# KiCad board spudglo_driver_v7p0.kicad_pcb
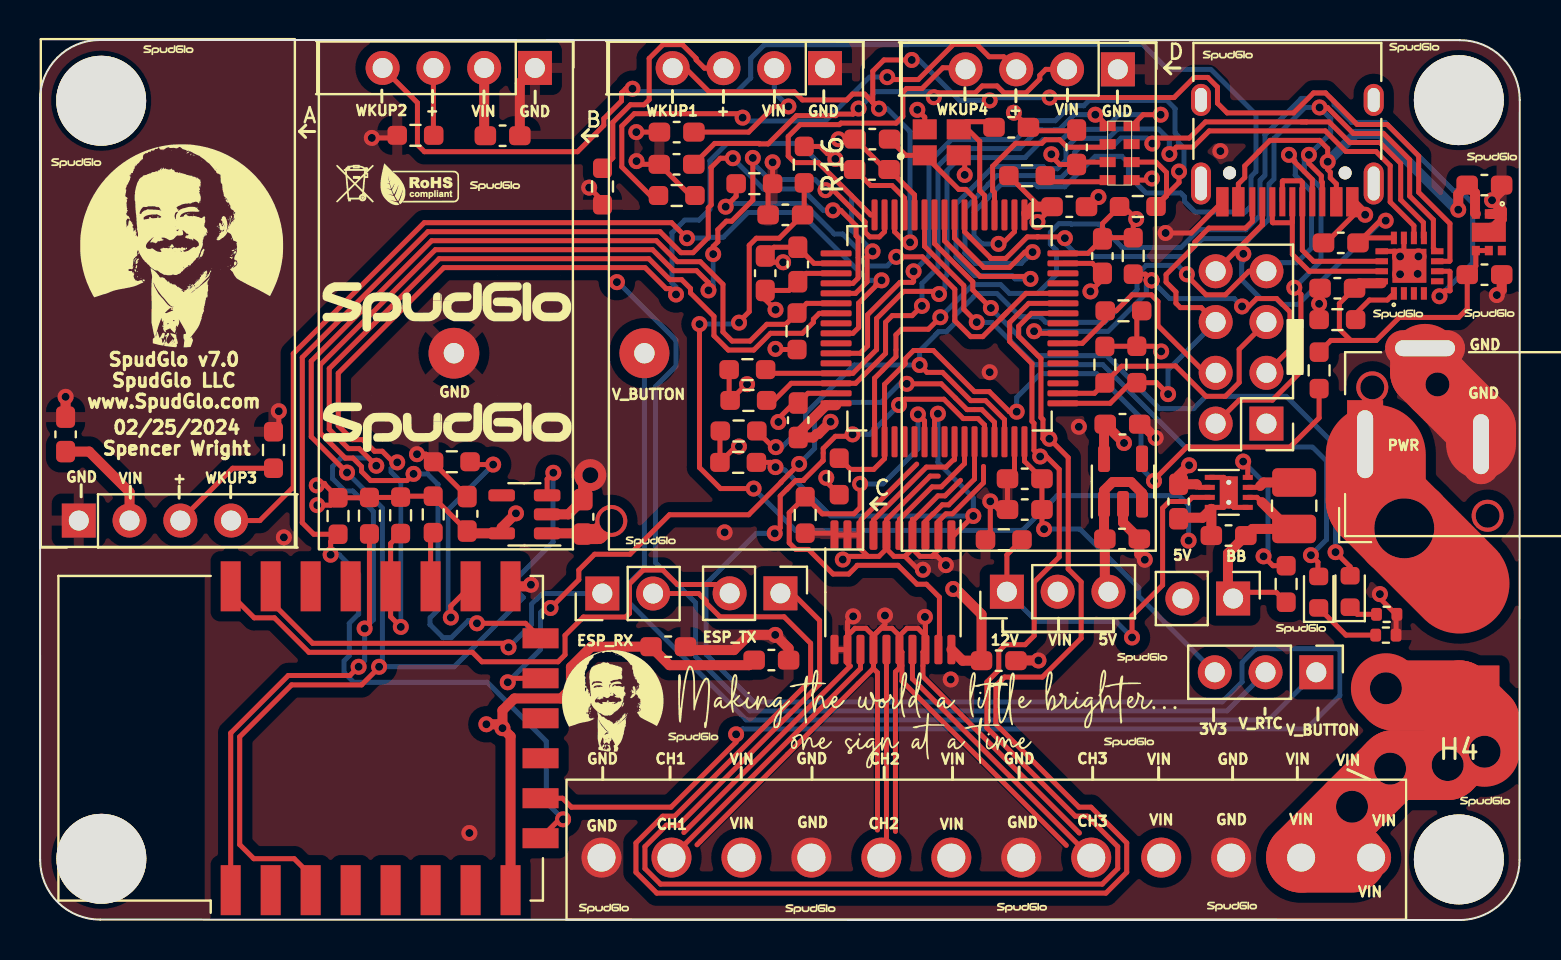
[diagram p0: board, top side]
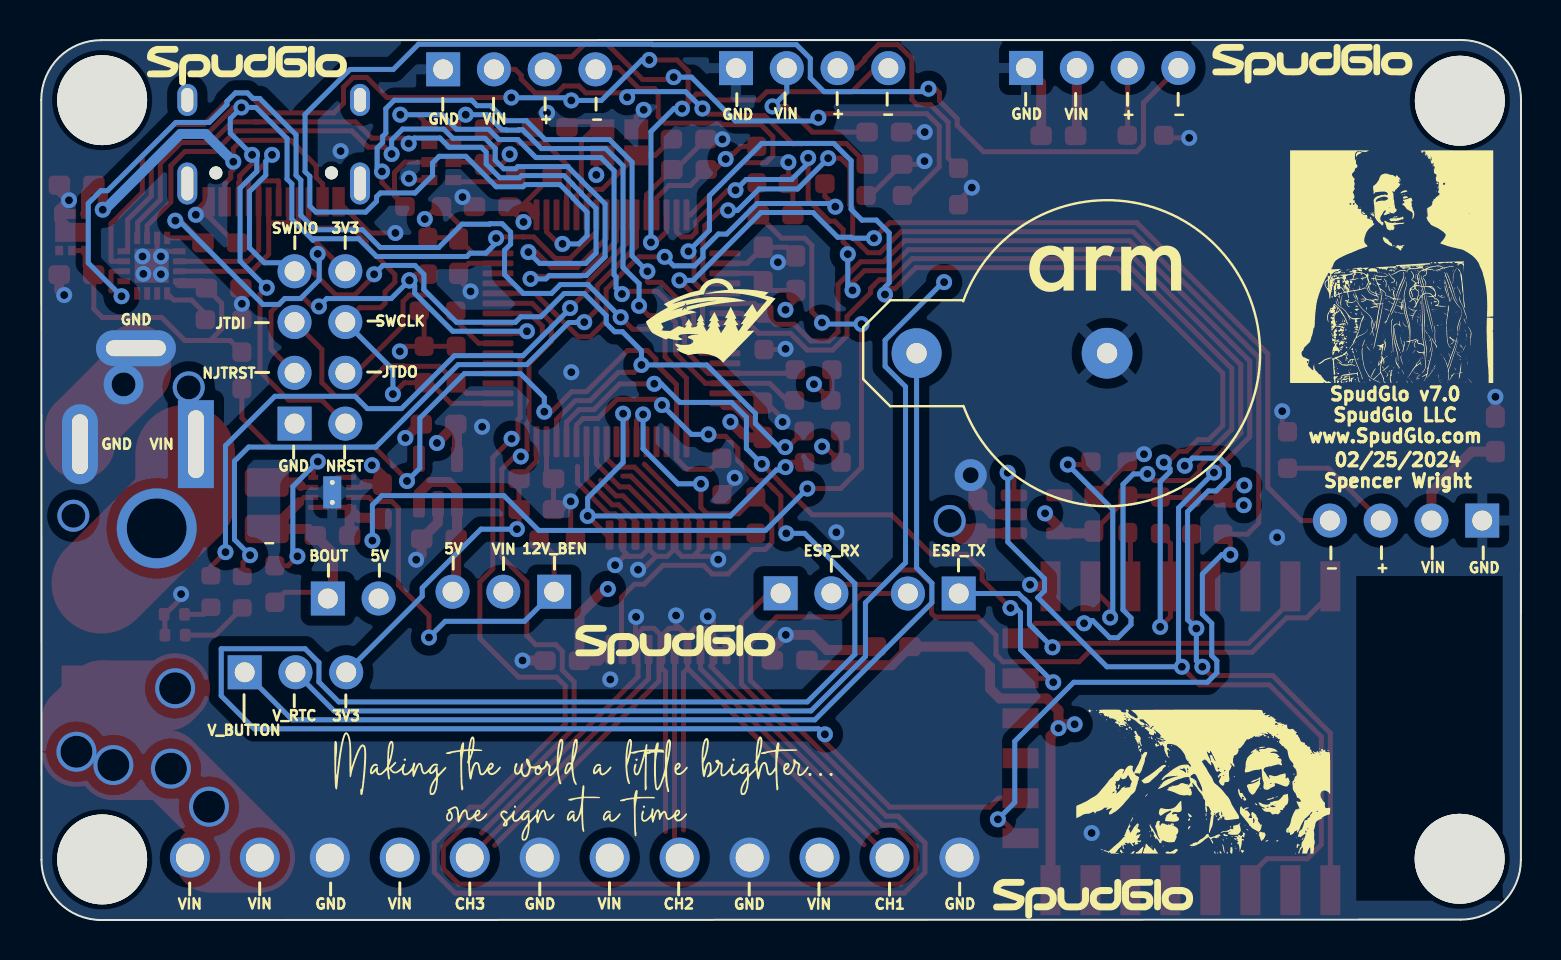
[diagram p1: board, bottom side, seen from below]

Outline 74.03 x 44.02 mm; copper layers: Top, GND.Cu (plane), PWR.Cu (plane), Bottom. Coordinates in mm from the lower left corner of the outline.
Outline path: 0,41.01 arc(0.87,43.14) 2.99,44.02 71.02,44.01 arc(73.14,43.15) 74.03,41.02 74.02,3.01 arc(73.15,0.88) 71.03,0 3.02,0.02 arc(0.89,0.89) 0.01,3.01 0,41.01
Stack: Top 0.035mm / dielectric 1.51mm FR4 er 4.5 / GND.Cu 0.035mm / dielectric 1.51mm FR4 er 4.5 / PWR.Cu 0.035mm / dielectric 1.51mm FR4 er 4.5 / Bottom 0.035mm

## Placement (name value [footprint] x y rotation side)
BT1  Battery_Cell  [BatteryHolder_Keystone_500]  30.24 28.35 180 bottom
C1  1u  [C_0603_1608Metric_Pad1.08x0.95mm_HandSolder]  31.84 37.8 180 top
C2  1u  [C_0603_1608Metric_Pad1.08x0.95mm_HandSolder]  1.28 24.29 90 top
C3  6p  [C_0603_1608Metric_Pad1.08x0.95mm_HandSolder]  41.64 39.06 180 top
C6  0.1u  [C_0603_1608Metric_Pad1.08x0.95mm_HandSolder]  47.96 12.97 0 top
C7  6p  [C_0603_1608Metric_Pad1.08x0.95mm_HandSolder]  48.59 39.65 0 top
C8  0.1u  [C_0603_1608Metric_Pad1.08x0.95mm_HandSolder]  37.29 35.27 180 top
C9  0.1u  [C_0603_1608Metric_Pad1.08x0.95mm_HandSolder]  51.49 35.68 0 top
C10  0.1u  [C_0603_1608Metric_Pad1.08x0.95mm_HandSolder]  37.91 32.79 90 top
C11  0.1u  [C_0603_1608Metric_Pad1.08x0.95mm_HandSolder]  53.15 33.21 270 top
C12  0.1u  [C_0603_1608Metric_Pad1.08x0.95mm_HandSolder]  37.93 25 90 top
C13  0.1u  [C_0603_1608Metric_Pad1.08x0.95mm_HandSolder]  41.62 37.54 0 top
C14  4.7u  [C_0603_1608Metric_Pad1.08x0.95mm_HandSolder]  36.28 32.35 90 top
C15  1u  [C_0603_1608Metric_Pad1.08x0.95mm_HandSolder]  54.13 19.06 0 top
C16  0.01u  [C_0603_1608Metric_Pad1.08x0.95mm_HandSolder]  49.26 22.07 180 top
C17  1u  [C_0603_1608Metric_Pad1.08x0.95mm_HandSolder]  49.26 20.53 180 top
C18  1u  [C_0603_1608Metric_Pad1.08x0.95mm_HandSolder]  54.15 24.8 0 top
C19  1u  [C_0603_1608Metric_Pad1.08x0.95mm_HandSolder]  23.14 39.23 0 top
C20  1u  [C_0603_1608Metric_Pad1.08x0.95mm_HandSolder]  65.07 33.87 180 top
C21  1u  [C_0603_1608Metric_Pad1.08x0.95mm_HandSolder]  64.9 31.6 180 top
C22  1u  [C_0603_1608Metric_Pad1.08x0.95mm_HandSolder]  72.26 36.76 0 top
C23  1u  [C_0603_1608Metric_Pad1.08x0.95mm_HandSolder]  72.26 32.28 0 top
C24  10u  [C_0603_1608Metric_Pad1.08x0.95mm_HandSolder]  56.96 20.93 270 top
C25  22u  [C_0603_1608Metric_Pad1.08x0.95mm_HandSolder]  59.46 19.23 180 top
C26  1u  [C_0603_1608Metric_Pad1.08x0.95mm_HandSolder]  31.85 39.41 180 top
C27  0.01u  [C_0603_1608Metric_Pad1.08x0.95mm_HandSolder]  51.86 38.65 90 top
C28  1u  [C_0603_1608Metric_Pad1.08x0.95mm_HandSolder]  27.17 20.17 90 top
C29  1u  [C_0603_1608Metric_Pad1.08x0.95mm_HandSolder]  21.37 20.32 90 top
C30  10u  [C_0603_1608Metric_Pad1.08x0.95mm_HandSolder]  36.59 13 0 top
C31  1u  [C_0603_1608Metric_Pad1.08x0.95mm_HandSolder]  31.43 13.67 0 top
D1  GREEN LED  [LED_0603_1608Metric]  65.54 16.43 90 top
D3  RED_LED  [LED_0603_1608Metric]  63.97 16.4 90 top
F1  Fuse-2410FA  [2410FA]  75.01 16.83 270 top
G***  -  [LOGO]  15.75 36.82 0 top
G***#2  -  [LOGO]  59.42 43.27 0 top
G***#3  -  [LOGO]  54.48 8.91 0 top
G***#4  -  [LOGO]  20.3 24.81 0 top
G***#5  -  [LOGO]  32.68 9.16 0 top
G***#6  -  [LOGO]  30.55 18.97 0 top
G***#7  -  [LOGO]  6.42 43.54 0 top
G***#8  -  [LOGO]  55.14 13.14 0 top
G***#9  -  [LOGO]  19.01 36.77 0 top
G***#10  -  [LOGO]  1.81 37.89 0 top
G***#11  -  [LOGO]  22.76 36.74 0 top
G***#12  -  [LOGO]  72.51 30.34 0 top
G***#13  -  [LOGO]  7.08 33.73 0 top
G***#14  -  [LOGO]  20.28 30.83 0 top
G***#15  -  [LOGO]  72.29 5.95 0 top
G***#16  -  [LOGO]  68.75 43.66 0 top
G***#17  -  [LOGO]  63.08 14.59 0 top
G***#18  -  [LOGO]  59.63 0.7 0 top
G***#19  -  [LOGO]  38.54 0.57 0 top
G***#20  -  [LOGO]  43.71 9.06 0 top
G***#21  -  [LOGO]  44.37 11.28 0 top
G***#22  -  [LOGO]  28.21 0.6 0 top
G***#23  -  [LOGO]  49.12 0.64 0 top
G***#24  -  [LOGO]  72.64 38.17 0 top
G***#25  -  [LOGO]  28.65 10.96 0 top
G***#26  -  [LOGO]  67.94 30.32 0 top
G***#27  -  [LOGO]  63.74 42.73 180 bottom
G***#28  -  [LOGO]  6.47 32.68 180 bottom
G***#29  -  [LOGO]  40.41 29.97 180 bottom
G***#30  -  [LOGO]  46.93 7.94 180 bottom
G***#31  -  [LOGO]  10.44 42.83 180 bottom
G***#32  -  [LOGO]  20.8 32.58 180 bottom
G***#33  -  [LOGO]  15.9 6.92 180 bottom
G***#34  -  [LOGO]  42.31 13.77 180 bottom
G***#35  -  [LOGO]  47.62 5.44 180 bottom
G***#36  -  [LOGO]  21.41 1.06 180 bottom
H1  MountingHole  [MountingHole_4.5mm]  3.06 40.98 0 top
H2  MountingHole  [MountingHole_4.5mm]  3.07 3.06 0 top
H3  MountingHole  [MountingHole_4.5mm]  70.98 41.01 0 top
H4  MountingHole  [MountingHole_4.5mm]  70.98 3.03 0 top
J1  Conn_01x08_Male  [PinHeader_2x04_P2.54mm_Vertical]  61.36 24.83 180 top
J2  Barrel_Jack_Switch  [BarrelJack_Wuerth_6941xx301002]  66.29 23.8 90 top
J3  terminal_custom_12pin  [1984714]  66.59 3.12 180 top
J4  Conn_01x02_Pin  [PinHeader_1x02_P2.54mm_Vertical]  37.04 16.34 270 top
J5  Conn_01x02_Pin  [PinHeader_1x02_P2.54mm_Vertical]  59.69 16.08 270 top
J6  Conn_01x02_Pin  [PinHeader_1x02_P2.54mm_Vertical]  28.13 16.33 90 top
J7  Conn_01x03_Pin  [PinHeader_1x03_P2.54mm_Vertical]  63.85 12.39 270 top
J8  Conn_01x03_Pin  [PinHeader_1x03_P2.54mm_Vertical]  48.37 16.42 90 top
L1  L  [L_1008_2520Metric_Pad1.43x2.20mm_HandSolder]  62.74 20.72 270 top
R1  1M  [R_0603_1608Metric_Pad0.98x0.95mm_HandSolder]  31.85 36.24 0 top
R2  100k  [R_0603_1608Metric_Pad0.98x0.95mm_HandSolder]  48.21 19.02 180 top
R3  1M  [R_0603_1608Metric_Pad0.98x0.95mm_HandSolder]  28.14 36.69 270 top
R4  1M  [R_0603_1608Metric_Pad0.98x0.95mm_HandSolder]  11.68 23.51 90 top
R5  1M  [R_0603_1608Metric_Pad0.98x0.95mm_HandSolder]  18.78 39.25 180 top
R6  10k  [R_0603_1608Metric_Pad0.98x0.95mm_HandSolder]  35.44 25.99 0 top
R7  10k  [R_0603_1608Metric_Pad0.98x0.95mm_HandSolder]  35.39 27.53 0 top
R8  100k  [R_0603_1608Metric_Pad0.98x0.95mm_HandSolder]  49.38 37.23 0 top
R9  100k  [R_0603_1608Metric_Pad0.98x0.95mm_HandSolder]  54.92 35.69 0 top
R10  10k  [R_0603_1608Metric_Pad0.98x0.95mm_HandSolder]  64.9 30.03 180 top
R11  10k  [R_0603_1608Metric_Pad0.98x0.95mm_HandSolder]  18.04 20.24 90 top
R12  10k  [R_0603_1608Metric_Pad0.98x0.95mm_HandSolder]  19.67 20.29 90 top
R13  10k  [R_0603_1608Metric_Pad0.98x0.95mm_HandSolder]  20.6 22.92 0 top
R14  10k  [R_0603_1608Metric_Pad0.98x0.95mm_HandSolder]  34.93 22.89 0 top
R15  10k  [R_0603_1608Metric_Pad0.98x0.95mm_HandSolder]  35.74 36.83 0 top
R16  10k  [R_0603_1608Metric_Pad0.98x0.95mm_HandSolder]  38.23 37.78 270 top
R17  10k  [R_0603_1608Metric_Pad0.98x0.95mm_HandSolder]  38.28 20.26 270 top
R18  10k  [R_0603_1608Metric_Pad0.98x0.95mm_HandSolder]  34.95 24.46 0 top
R19  10k  [R_0603_1608Metric_Pad0.98x0.95mm_HandSolder]  54.87 27.79 270 top
R20  10k  [R_0603_1608Metric_Pad0.98x0.95mm_HandSolder]  53.27 27.78 270 top
R21  10k  [R_0603_1608Metric_Pad0.98x0.95mm_HandSolder]  54.2 30.47 180 top
R22  10k  [R_0603_1608Metric_Pad0.98x0.95mm_HandSolder]  54.69 33.22 270 top
R23  10k  [R_0603_1608Metric_Pad0.98x0.95mm_HandSolder]  62.34 16.81 90 top
R24  10k  [R_0603_1608Metric_Pad0.98x0.95mm_HandSolder]  16.48 20.22 90 top
R25  10k  [R_0603_1608Metric_Pad0.98x0.95mm_HandSolder]  37.87 29.45 90 top
R31  10k  [R_0603_1608Metric_Pad0.98x0.95mm_HandSolder]  14.91 20.21 90 top
R34  10k  [R_0603_1608Metric_Pad0.98x0.95mm_HandSolder]  63.99 27.49 270 top
R35  28k  [R_0603_1608Metric_Pad0.98x0.95mm_HandSolder]  39.98 22.19 270 top
R37  100  [R_0402_1005Metric]  67.33 14.25 0 top
R39  100  [R_0402_1005Metric]  67.37 15.29 0 top
U1  rf_433MHz_module  [433MHz_receiver]  42.59 44.37 0 top
U2  rf_433MHz_module  [433MHz_receiver]  13.27 18.16 180 top
U3  rf_433MHz_module  [433MHz_receiver]  13.43 44.44 0 top
U4  rf_433MHz_module  [433MHz_receiver]  27.94 44.43 0 top
U5  RV-8803  [rv-8803-c7]  53.41 39.71 0 top
U6  -  [XR21B1411]  67.73 31.34 90 top
U8  ECS-480-8-36-RWN-TR  [XTAL_ECS-480-8-36-RWN-TR]  45.11 38.9 0 top
U9  SN74HCT245PW  [TSSOP-20_4.4x6.5mm_P0.65mm]  42.67 16.39 270 top
U10  STM32L431RCTx  [LQFP-64_10x10mm_P0.5mm]  45.5 29.6 270 top
U11  LP5907MFX-3.3  [SOT-23-5]  54.18 21.93 90 top
U12  USB-C-31-M-12  [USB_C_Receptacle_HRO_TYPE-C-31-M-12]  62.4 39.97 180 top
U13  -  [NCP361]  73.13 33.02 180 top
U14  LP5907MFX-3.3  [SOT-23-5]  24.23 20.29 180 top
U15  ESP-12F  [ESP-12E]  13.04 9.09 90 top
U16  TPS62163DSG  [WSON-8-1EP_2x2mm_P0.5mm_EP0.9x1.6mm_ThermalVias]  59.47 21.39 0 top

## Library data of the parts
BT1 = -: Description: Single-cell battery
D1 D3 = -: Description: Light emitting diode
H1-H4 = -: Description: Mounting Hole without connection
J1 = -: Description: Generic connector, single row, 01x08, script generated (kicad-library-utils/schlib/autogen/connector/)
J2 = -: Description: DC Barrel Jack with an internal switch
J4-J6 = -: Description: Generic connector, single row, 01x02, script generated
J7 J8 = -: Description: Generic connector, single row, 01x03, script generated
L1 = -: Description: Inductor
R1-R25 R31 R34 R35 R37 R39 = -: Description: Resistor
U8 = -: AVAILABILITY: Good; DESCRIPTION: The minature ECX-2236 is a compact SMD Crystal. The industry standard 2.5 x 2.0 x 0.55 mm ceramic package is ideal for today’s SMD manufacturing environment.; MF: ECS INC; MP: ECX-2236; PACKAGE: SMD-4 ECX; PARTREV: 2017; STANDARD: Manufacturer Recommendation
U11 U14 = -: Description: 250-mA Ultra-Low-Noise Low-IQ LDO, 3.3V, SOT-23
U15 = -: Description: 802.11 b/g/n Wi-Fi Module
U16 = -: Description: 1A Step-Down Converter with DCS-Control, fixed 5.0V output, 3-17V input voltage, WSON-8

## Footprints (pads in the part's own frame, mm; a bottom-side part is the same pattern mirrored in y, then rotated)
433MHz_receiver
  rect 1.7x1.7 hole 1: 1(11.33,-1.82)
  oval 1.7x1.7 hole 1: 2(8.79,-1.82) 3(6.25,-1.82) 4(3.71,-1.82)
2410FA
  rect 3x4 smd: 1(0,-4) 2(5.6,-4)
1984714
  round 2 hole 1.4: 1(0,0) 2(3.5,0) 3(7,0) 4(10.5,0) 5(14,0) 6(17.5,0) 7(21,0) 8(24.5,0) 9(28,0) 10(31.5,0) 11(35,0) 12(38.5,0)
BarrelJack_Wuerth_6941xx301002
  rect 4.4x1.8 hole 3.4x0.8: 1(0,0)
  oval 4x1.8 hole 3x0.8: 2(0,-5.8)
  oval 1.8x4 hole 0.8x3: 3(4.8,-3)
BatteryHolder_Keystone_500
  round 2.5 hole 1.02: 1(0,0)
  round 2.54 hole 1.02: 2(9.53,0)
C_0603_1608Metric_Pad1.08x0.95mm_HandSolder
  rrect 1.075x0.95 smd: 1(-0.863,0) 2(0.863,0)
ESP-12E
  rect 2.5x1 smd: 1(-7.6,3.5) 2(-7.6,1.5) 3(-7.6,-0.5) 4(-7.6,-2.5) 5(-7.6,-4.5) 6(-7.6,-6.5) 7(-7.6,-8.5) 8(-7.6,-10.5) 15(7.6,-10.5) 16(7.6,-8.5) 17(7.6,-6.5) 18(7.6,-4.5) 19(7.6,-2.5) 20(7.6,-0.5) 21(7.6,1.5) 22(7.6,3.5)
  rect 1x1.8 smd: 9(-5,-12) 10(-3,-12) 11(-1,-12) 12(1,-12) 13(3,-12) 14(5,-12)
L_1008_2520Metric_Pad1.43x2.20mm_HandSolder
  rrect 1.425x2.2 smd: 1(-1.163,0) 2(1.163,0)
LED_0603_1608Metric
  rrect 0.875x0.95 smd: 1(-0.787,0) 2(0.787,0)
LQFP-64_10x10mm_P0.5mm
  rrect 1.55x0.3 smd: 1(-5.675,3.75) 2(-5.675,3.25) 3(-5.675,2.75) 4(-5.675,2.25) 5(-5.675,1.75) 6(-5.675,1.25) 7(-5.675,0.75) 8(-5.675,0.25) 9(-5.675,-0.25) 10(-5.675,-0.75) 11(-5.675,-1.25) 12(-5.675,-1.75) 13(-5.675,-2.25) 14(-5.675,-2.75) 15(-5.675,-3.25) 16(-5.675,-3.75) 33(5.675,-3.75) 34(5.675,-3.25) 35(5.675,-2.75) 36(5.675,-2.25) 37(5.675,-1.75) 38(5.675,-1.25) 39(5.675,-0.75) 40(5.675,-0.25) 41(5.675,0.25) 42(5.675,0.75) 43(5.675,1.25) 44(5.675,1.75) 45(5.675,2.25) 46(5.675,2.75) 47(5.675,3.25) 48(5.675,3.75)
  rrect 0.3x1.55 smd: 17(-3.75,-5.675) 18(-3.25,-5.675) 19(-2.75,-5.675) 20(-2.25,-5.675) 21(-1.75,-5.675) 22(-1.25,-5.675) 23(-0.75,-5.675) 24(-0.25,-5.675) 25(0.25,-5.675) 26(0.75,-5.675) 27(1.25,-5.675) 28(1.75,-5.675) 29(2.25,-5.675) 30(2.75,-5.675) 31(3.25,-5.675) 32(3.75,-5.675) 49(3.75,5.675) 50(3.25,5.675) 51(2.75,5.675) 52(2.25,5.675) 53(1.75,5.675) 54(1.25,5.675) 55(0.75,5.675) 56(0.25,5.675) 57(-0.25,5.675) 58(-0.75,5.675) 59(-1.25,5.675) 60(-1.75,5.675) 61(-2.25,5.675) 62(-2.75,5.675) 63(-3.25,5.675) 64(-3.75,5.675)
MountingHole_4.5mm
  round 4.5 hole 4.5 unplated: (0,0)
NCP361
  rect 0.4x0.47 smd: 1(0,-2.3) 2(0.65,-2.3) 3(1.3,-2.3) 4(1.3,-0.47) 5(0.65,-0.47) 6(0,-0.47)
  rect 1.7x0.95 smd: EPAD(0.65,-1.385)
PinHeader_1x02_P2.54mm_Vertical
  rect 1.7x1.7 hole 1: 1(0,0)
  oval 1.7x1.7 hole 1: 2(0,-2.54)
PinHeader_1x03_P2.54mm_Vertical
  rect 1.7x1.7 hole 1: 1(0,0)
  oval 1.7x1.7 hole 1: 2(0,-2.54) 3(0,-5.08)
PinHeader_2x04_P2.54mm_Vertical
  rect 1.7x1.7 hole 1: 1(0,0)
  oval 1.7x1.7 hole 1: 2(2.54,0) 3(0,-2.54) 4(2.54,-2.54) 5(0,-5.08) 6(2.54,-5.08) 7(0,-7.62) 8(2.54,-7.62)
R_0402_1005Metric
  rrect 0.54x0.64 smd: 1(-0.51,0) 2(0.51,0)
R_0603_1608Metric_Pad0.98x0.95mm_HandSolder
  rrect 0.975x0.95 smd: 1(-0.912,0) 2(0.912,0)
rv-8803-c7
  rect 0.8x0.5 smd: 1(0,0) 2(0,-0.9) 3(0,-1.8) 4(0,-2.7) 5(1.2,-2.7) 6(1.2,-1.8) 7(1.2,-0.9) 8(1.2,0)
SOT-23-5
  rrect 1.325x0.6 smd: 1(-1.137,0.95) 2(-1.137,0) 3(-1.137,-0.95) 4(1.137,-0.95) 5(1.137,0.95)
TSSOP-20_4.4x6.5mm_P0.65mm
  rrect 1.475x0.4 smd: 1(-2.862,2.925) 2(-2.862,2.275) 3(-2.862,1.625) 4(-2.862,0.975) 5(-2.862,0.325) 6(-2.862,-0.325) 7(-2.862,-0.975) 8(-2.862,-1.625) 9(-2.862,-2.275) 10(-2.862,-2.925) 11(2.862,-2.925) 12(2.862,-2.275) 13(2.862,-1.625) 14(2.862,-0.975) 15(2.862,-0.325) 16(2.862,0.325) 17(2.862,0.975) 18(2.862,1.625) 19(2.862,2.275) 20(2.862,2.925)
USB_C_Receptacle_HRO_TYPE-C-31-M-12
  round 0.65 hole 0.65 unplated: (-2.89,2.6) (2.89,2.6)
  rect 0.6x1.45 smd: A1(-3.25,4.045) A4(-2.45,4.045) A9(2.45,4.045) A12(3.25,4.045) B1(3.25,4.045) B4(2.45,4.045) B9(-2.45,4.045) B12(-3.25,4.045)
  rect 0.3x1.45 smd: A5(-1.25,4.045) A6(-0.25,4.045) A7(0.25,4.045) A8(1.25,4.045) B5(1.75,4.045) B6(0.75,4.045) B7(-0.75,4.045) B8(-1.75,4.045)
  oval 1x2.1 hole 0.6x1.7: S1(-4.32,3.13) S1(4.32,3.13)
  oval 1x1.6 hole 0.6x1.2: S1(-4.32,-1.05) S1(4.32,-1.05)
WSON-8-1EP_2x2mm_P0.5mm_EP0.9x1.6mm_ThermalVias
  rect 0.75x0.65 smd: (0,0.4) (0,-0.4)
  rect 0.5x0.25 smd: 1(-0.95,0.75) 2(-0.95,0.25) 3(-0.95,-0.25) 4(-0.95,-0.75) 5(0.95,-0.75) 6(0.95,-0.25) 7(0.95,0.25) 8(0.95,0.75)
  round 0.6 hole 0.25: 9(0,0.5) 9(0,-0.5)
  rect 0.9x1.6 smd: 9(0,0)
  rect 0.9x1.6 smd far side: 9(0,0)
XR21B1411
  rect 0.625x0.3 smd: 1(0,-0.005) 2(0,-0.505) 3(0,-1.005) 4(0,-1.505) 9(2.775,-1.505) 10(2.775,-1.005) 11(2.775,-0.505) 12(2.775,-0.005)
  rect 0.3x0.625 smd: 5(0.608,-2.172) 6(1.107,-2.172) 7(1.607,-2.172) 8(2.107,-2.172) 13(2.107,0.603) 14(1.607,0.603) 15(1.107,0.603) 16(0.608,0.603)
  rect 1.7x1.7 smd: EPAD(1.383,-0.78)
XTAL_ECS-480-8-36-RWN-TR
  rect 1.2x1 smd: 1(-0.85,-0.65) 2(0.85,-0.65) 3(0.85,0.65) 4(-0.85,0.65)

## Nets
5V_SWITCH_PG: R23.2 U16.8
12V_BUCK_EN: J8.1 R2.1 U16.3
+3V3: C9.1 C10.1 C11.1 C12.1 C13.1 C14.1 C16.1 C17.1 C18.1 C20.1 J1.8 J7.3 R6.1 R7.1 R8.1 R9.1 R14.1 R16.1 R18.1 R19.1 R20.1 R21.1 R22.1 U6.12 U10.1 U10.13 U10.19 U10.32 U10.48 U10.64 U11.5 U12.A8
+5V: C6.1 C15.1 C28.1 J5.2 J8.3 U9.20 U11.1 U11.3 U14.1
GND1: BT1.2 C1.2 C2.2 C3.2 C6.2 C7.2 C8.2 C9.2 C10.2 C11.2 C12.2 C13.2 C14.2 C15.2 C16.2 C17.2 C18.2 C19.2 C20.2 C21.2 C22.2 C23.2 C24.2 C25.2 C26.2 C27.2 C28.2 C29.2 C30.2 C31.2 J1.1 J2.2 J2.3 J3.3 J3.6 J3.9 J3.12 R1.2 R2.2 R3.2 R4.2 R5.2 R10.2 R13.1 R15.2 R17.2 R25.1 R35.2 R37.2 R39.2 U1.1 U2.1 U3.1 U4.1 U5.5 U6.11 U6.13 U6.EPAD U8.2 U8.4 U9.2 U9.4 U9.6 U9.8 U9.9 U9.10 U9.11 U9.12 U9.14 U9.16 U9.18 U10.12 U10.18 U10.31 U10.47 U10.63 U11.2 U12.A1 U12.A12 U12.B1 U12.B12 U13.1 U13.2 U13.EPAD U14.2 U15.15 U16.1 U16.4 U16.5 U16.9
VBUS: C21.1 C23.1 R34.1 U6.16 U13.4 U13.5
VBUS_PRESENT: R34.2 R35.1 U10.34
VIN: C1.1 C2.1 C19.1 C24.1 C26.1 F1.2 J3.1 J3.2 J3.4 J3.7 J3.10 J8.2 U1.2 U2.2 U3.2 U4.2 U16.2
/spudglo_v7p0_micro/BOOT0: R15.1 U10.60
/spudglo_v7p0_micro/GREEN_LED: D1.2 U10.10
/spudglo_v7p0_micro/JTDI: J1.5 R20.2 U10.50
/spudglo_v7p0_micro/JTDO: J1.4 R21.2 U10.55
/spudglo_v7p0_micro/LVL_DIR: R14.2 U9.1 U10.39
/spudglo_v7p0_micro/LVL_EN: R17.1 U9.19 U10.38
/spudglo_v7p0_micro/NJTRST: J1.3 R22.2 U10.56
/spudglo_v7p0_micro/OSC48_HI: C7.1 U8.3 U10.5
/spudglo_v7p0_micro/OSC48_LO: C3.1 U8.1 U10.6
/spudglo_v7p0_micro/RED_LED: D3.2 U10.11
ESP8266_3V3: C29.1 C30.1 C31.1 R11.2 R12.2 R24.2 R31.2 U14.5 U15.8
ESP8266_CSN: R31.1 U10.20 U15.9
ESP8266_EN: R25.2 U10.22 U14.3 U15.3
ESP8266_GPIO0: R11.1 U10.21 U15.18
ESP8266_MISO: U10.44 U15.10
ESP8266_MOSI: U10.45 U15.13
ESP8266_RST: R24.1 U10.23 U15.1
ESP8266_RXD: J6.1 U15.21
ESP8266_SCK: U10.15 U15.14
ESP8266_TXD: J4.2 U15.22
I2C2_SCL: R7.2 U5.8 U10.29
I2C2_SDA: R6.2 U5.1 U10.30
NRST: C8.1 J1.2 R16.2 U6.8 U10.7 U12.B8
RV_8803_CLK_OUT: U5.2 U10.4
RV_8803_INT_N: R9.2 U5.6 U10.27
SWCLK: J1.6 R19.2 U10.49 U12.B5
SWDIO: J1.7 R18.2 U10.46 U12.A5
TIM1_CH1: U9.7 U10.41
TIM1_CH1_SHIFT: J3.11 U9.13
TIM1_CH2: U9.5 U10.42
TIM1_CH2_SHIFT: J3.8 U9.15
TIM1_CH3: U9.3 U10.43
TIM1_CH3_SHIFT: J3.5 U9.17
USBD+: U6.15 U12.A6 U12.B6
USBD-: U6.14 U12.A7 U12.B7
V_BUTTON: BT1.1 J7.1
V_RTC: C27.1 J7.2 U5.3
WKUP1: U4.4 U6.7 U10.14
WKUP2: U3.4 U10.2
WKUP3: U2.4 U10.25
WKUP4: U1.4 U10.16
XR_GPIO: U6.6 U10.33
XR_RX: U6.10 U10.9
XR_TX: U6.9 U10.8
Net-(D1-K): D1.1 R39.1
Net-(D3-K): D3.1 R37.1
Net-(F1-Pad1): F1.1 J2.1
Net-(J4-Pin_1): J4.1 U10.59
Net-(J5-Pin_1): C25.1 J5.1 L1.2 R23.1 U16.6
Net-(J6-Pin_2): J6.2 U10.58
Net-(U1-OUT+): R1.1 U1.3
Net-(U2-OUT+): R4.1 U2.3
Net-(U3-OUT+): R5.1 U3.3
Net-(U4-OUT+): R3.1 U4.3
Net-(U5-CLKOE): R8.2 U5.4
Net-(U6-LOWPOWER): R10.1 U6.1
Net-(U12-VBUS1): C22.1 U12.A4 U12.A9 U12.B4 U12.B9 U13.3
Net-(U15-GPIO2): R12.1 U15.17
Net-(U15-GPIO15): R13.2 U15.16
Net-(U16-SW): L1.1 U16.7

Pads without a net: U5 7; U6 2 3 4 5; U10 3 17 24 26 28 35 36 37 40 51 52 53 54 57 61 62; U11 4; U12 S1; U13 6; U14 4; U15 2 4 5 6 7 11 12 19 20

## Via types
v1: diameter 4, hole 3, Top to Bottom, 1 via
v2: diameter 1.6, hole 1.2, Top to Bottom, 3 vias
v3: diameter 0.8, hole 0.4, Top to Bottom, 163 vias
v4: diameter 1.6, hole 0.8, Top to Bottom, 1 via
v5: diameter 2, hole 1.2, Top to Bottom, 1 via
v6: diameter 2, hole 1.6, Top to Bottom, 5 vias
